# KiCad board SparkFun_GNSS_LG290P_panelized.kicad_pcb (continued)
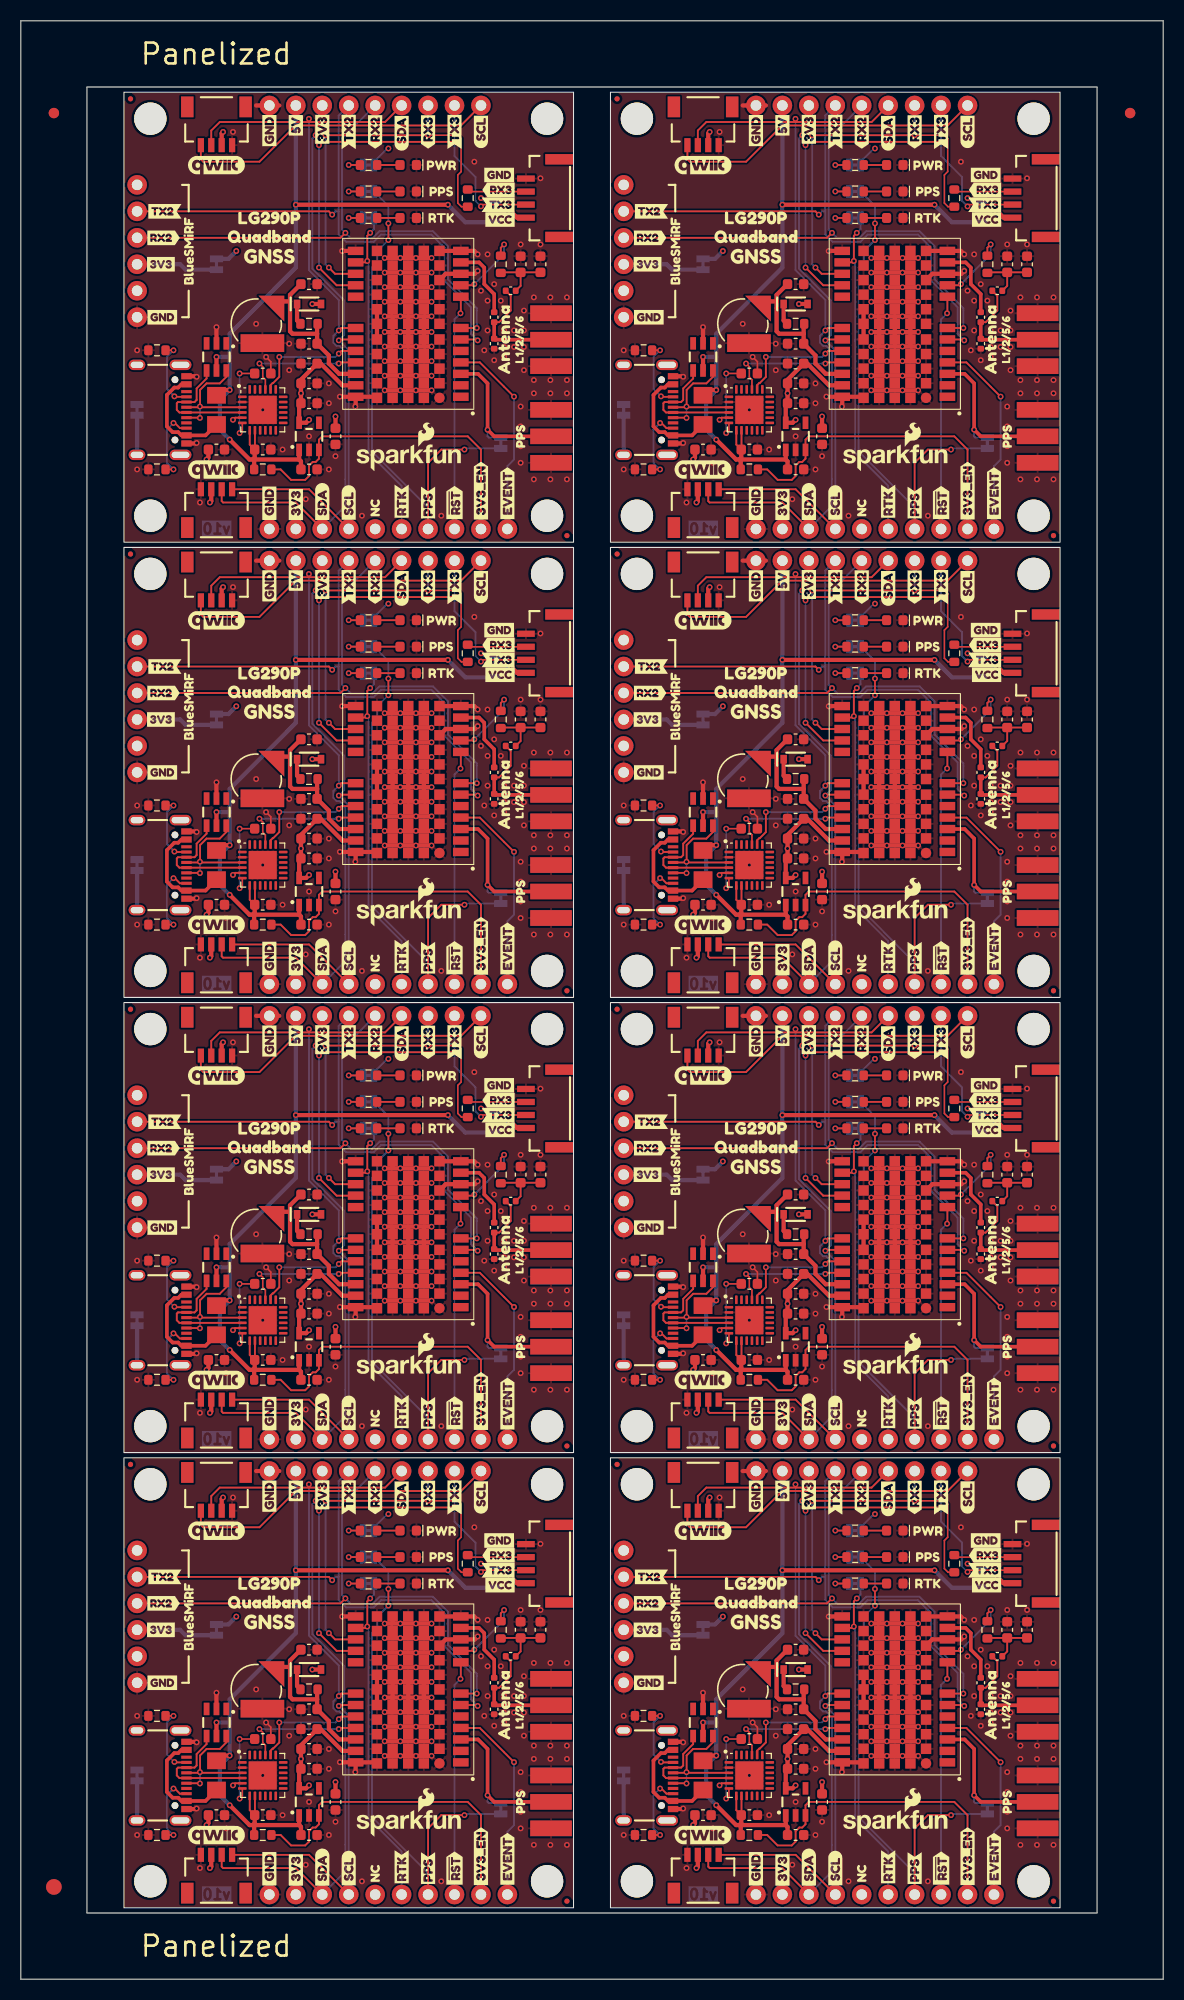
[diagram p0: board, top side]
## Placement (name value [footprint] x y rotation side) (continued)
kibuzzard-66CB3C6B#8  G***  [kibuzzard-66CB3C6B]  92.56 126.6 0 top
kibuzzard-66CB3C14  G***  [kibuzzard-66CB3C14]  83.3 98.15 90 top
kibuzzard-66CB3C14#2  G***  [kibuzzard-66CB3C14]  36.57 54.47 90 top
kibuzzard-66CB3C14#3  G***  [kibuzzard-66CB3C14]  36.57 98.15 90 top
kibuzzard-66CB3C14#4  G***  [kibuzzard-66CB3C14]  36.57 141.83 90 top
kibuzzard-66CB3C14#5  G***  [kibuzzard-66CB3C14]  83.3 10.79 90 top
kibuzzard-66CB3C14#6  G***  [kibuzzard-66CB3C14]  83.3 54.47 90 top
kibuzzard-66CB3C14#7  G***  [kibuzzard-66CB3C14]  83.3 141.83 90 top
kibuzzard-66CB3C14#8  G***  [kibuzzard-66CB3C14]  36.57 10.79 90 top
kibuzzard-66CB3C73  G***  [kibuzzard-66CB3C73]  45.87 171.7 0 top
kibuzzard-66CB3C73#2  G***  [kibuzzard-66CB3C73]  92.6 171.7 0 top
kibuzzard-66CB3C73#3  G***  [kibuzzard-66CB3C73]  45.87 84.34 0 top
kibuzzard-66CB3C73#4  G***  [kibuzzard-66CB3C73]  45.87 128.02 0 top
kibuzzard-66CB3C73#5  G***  [kibuzzard-66CB3C73]  92.6 40.66 0 top
kibuzzard-66CB3C73#6  G***  [kibuzzard-66CB3C73]  92.6 84.34 0 top
kibuzzard-66CB3C73#7  G***  [kibuzzard-66CB3C73]  92.6 128.02 0 top
kibuzzard-66CB3C73#8  G***  [kibuzzard-66CB3C73]  45.87 40.66 0 top
kibuzzard-66CB7E2C  G***  [kibuzzard-66CB7E2C]  18.79 37.84 270 bottom
kibuzzard-66CB7E2C#2  G***  [kibuzzard-66CB7E2C]  18.79 81.52 270 bottom
kibuzzard-66CB7E2C#3  G***  [kibuzzard-66CB7E2C]  18.79 125.2 270 bottom
kibuzzard-66CB7E2C#4  G***  [kibuzzard-66CB7E2C]  65.52 81.52 270 bottom
kibuzzard-66CB7E2C#5  G***  [kibuzzard-66CB7E2C]  65.52 125.2 270 bottom
kibuzzard-66CB7E2C#6  G***  [kibuzzard-66CB7E2C]  18.79 168.88 270 bottom
kibuzzard-66CB7E2C#7  G***  [kibuzzard-66CB7E2C]  65.52 168.88 270 bottom
kibuzzard-66CB7E2C#8  G***  [kibuzzard-66CB7E2C]  65.52 37.84 270 bottom
kibuzzard-66CB37A9  G***  [kibuzzard-66CB37A9]  23.87 177.39 90 top
kibuzzard-66CB37A9#2  G***  [kibuzzard-66CB37A9]  70.6 90.03 90 top
kibuzzard-66CB37A9#3  G***  [kibuzzard-66CB37A9]  70.6 177.39 90 top
kibuzzard-66CB37A9#4  G***  [kibuzzard-66CB37A9]  70.6 46.35 90 top
kibuzzard-66CB37A9#5  G***  [kibuzzard-66CB37A9]  70.6 133.71 90 top
kibuzzard-66CB37A9#6  G***  [kibuzzard-66CB37A9]  23.87 90.03 90 top
kibuzzard-66CB37A9#7  G***  [kibuzzard-66CB37A9]  23.87 133.71 90 top
kibuzzard-66CB37A9#8  G***  [kibuzzard-66CB37A9]  23.87 46.35 90 top
kibuzzard-66CB37A9#9  G***  [kibuzzard-66CB37A9]  23.87 177.39 270 bottom
kibuzzard-66CB37A9#10  G***  [kibuzzard-66CB37A9]  70.6 46.35 270 bottom
kibuzzard-66CB37A9#11  G***  [kibuzzard-66CB37A9]  23.87 133.71 270 bottom
kibuzzard-66CB37A9#12  G***  [kibuzzard-66CB37A9]  70.6 90.03 270 bottom
kibuzzard-66CB37A9#13  G***  [kibuzzard-66CB37A9]  70.6 177.39 270 bottom
kibuzzard-66CB37A9#14  G***  [kibuzzard-66CB37A9]  70.6 133.71 270 bottom
kibuzzard-66CB37A9#15  G***  [kibuzzard-66CB37A9]  23.87 90.03 270 bottom
kibuzzard-66CB37A9#16  G***  [kibuzzard-66CB37A9]  23.87 46.35 270 bottom
kibuzzard-66CB37CC  G***  [kibuzzard-66CB37CC]  46.02 37.81 0 top
kibuzzard-66CB37CC#2  G***  [kibuzzard-66CB37CC]  92.75 125.17 0 top
kibuzzard-66CB37CC#3  G***  [kibuzzard-66CB37CC]  46.02 125.17 0 top
kibuzzard-66CB37CC#4  G***  [kibuzzard-66CB37CC]  92.75 81.49 0 top
kibuzzard-66CB37CC#5  G***  [kibuzzard-66CB37CC]  46.02 81.49 0 top
kibuzzard-66CB37CC#6  G***  [kibuzzard-66CB37CC]  92.75 37.81 0 top
kibuzzard-66CB37CC#7  G***  [kibuzzard-66CB37CC]  92.75 168.85 0 top
kibuzzard-66CB37CC#8  G***  [kibuzzard-66CB37CC]  46.02 168.85 0 top
kibuzzard-66CB37D7  G***  [kibuzzard-66CB37D7]  92.66 85.77 0 top
kibuzzard-66CB37D7#2  G***  [kibuzzard-66CB37D7]  45.93 129.45 0 top
kibuzzard-66CB37D7#3  G***  [kibuzzard-66CB37D7]  92.66 129.45 0 top
kibuzzard-66CB37D7#4  G***  [kibuzzard-66CB37D7]  92.66 173.13 0 top
kibuzzard-66CB37D7#5  G***  [kibuzzard-66CB37D7]  45.93 85.77 0 top
kibuzzard-66CB37D7#6  G***  [kibuzzard-66CB37D7]  45.93 173.13 0 top
kibuzzard-66CB37D7#7  G***  [kibuzzard-66CB37D7]  92.66 42.09 0 top
kibuzzard-66CB37D7#8  G***  [kibuzzard-66CB37D7]  45.93 42.09 0 top
kibuzzard-66CB38B8  G***  [kibuzzard-66CB38B8]  39.11 46.22 270 bottom
kibuzzard-66CB38B8#2  G***  [kibuzzard-66CB38B8]  85.84 89.9 270 bottom
kibuzzard-66CB38B8#3  G***  [kibuzzard-66CB38B8]  85.84 46.22 270 bottom
kibuzzard-66CB38B8#4  G***  [kibuzzard-66CB38B8]  85.84 177.26 270 bottom
kibuzzard-66CB38B8#5  G***  [kibuzzard-66CB38B8]  39.11 133.58 270 bottom
kibuzzard-66CB38B8#6  G***  [kibuzzard-66CB38B8]  39.11 89.9 270 bottom
kibuzzard-66CB38B8#7  G***  [kibuzzard-66CB38B8]  39.11 177.26 270 bottom
kibuzzard-66CB38B8#8  G***  [kibuzzard-66CB38B8]  85.84 133.58 270 bottom
kibuzzard-66CB38C4  G***  [kibuzzard-66CB38C4]  41.65 133.58 270 bottom
kibuzzard-66CB38C4#2  G***  [kibuzzard-66CB38C4]  41.65 89.9 270 bottom
kibuzzard-66CB38C4#3  G***  [kibuzzard-66CB38C4]  88.38 46.22 270 bottom
kibuzzard-66CB38C4#4  G***  [kibuzzard-66CB38C4]  88.38 89.9 270 bottom
kibuzzard-66CB38C4#5  G***  [kibuzzard-66CB38C4]  88.38 177.26 270 bottom
kibuzzard-66CB38C4#6  G***  [kibuzzard-66CB38C4]  41.65 177.26 270 bottom
kibuzzard-66CB38C4#7  G***  [kibuzzard-66CB38C4]  88.38 133.58 270 bottom
kibuzzard-66CB38C4#8  G***  [kibuzzard-66CB38C4]  41.65 46.22 270 bottom
kibuzzard-66CB39E1  G***  [kibuzzard-66CB39E1]  34.03 10.15 90 top
kibuzzard-66CB39E1#2  G***  [kibuzzard-66CB39E1]  34.03 97.51 90 top
kibuzzard-66CB39E1#3  G***  [kibuzzard-66CB39E1]  34.03 53.83 90 top
kibuzzard-66CB39E1#4  G***  [kibuzzard-66CB39E1]  34.03 141.19 90 top
kibuzzard-66CB39E1#5  G***  [kibuzzard-66CB39E1]  80.76 53.83 90 top
kibuzzard-66CB39E1#6  G***  [kibuzzard-66CB39E1]  80.76 10.15 90 top
kibuzzard-66CB39E1#7  G***  [kibuzzard-66CB39E1]  80.76 97.51 90 top
kibuzzard-66CB39E1#8  G***  [kibuzzard-66CB39E1]  80.76 141.19 90 top
kibuzzard-66CB39E1#9  G***  [kibuzzard-66CB39E1]  34.03 10.15 270 bottom
kibuzzard-66CB39E1#10  G***  [kibuzzard-66CB39E1]  34.03 141.19 270 bottom
kibuzzard-66CB39E1#11  G***  [kibuzzard-66CB39E1]  34.03 97.51 270 bottom
kibuzzard-66CB39E1#12  G***  [kibuzzard-66CB39E1]  80.76 10.15 270 bottom
kibuzzard-66CB39E1#13  G***  [kibuzzard-66CB39E1]  80.76 97.51 270 bottom
kibuzzard-66CB39E1#14  G***  [kibuzzard-66CB39E1]  34.03 53.83 270 bottom
kibuzzard-66CB39E1#15  G***  [kibuzzard-66CB39E1]  80.76 53.83 270 bottom
kibuzzard-66CB39E1#16  G***  [kibuzzard-66CB39E1]  80.76 141.19 270 bottom
kibuzzard-66CB82FB  G***  [kibuzzard-66CB82FB]  45.46 85.46 270 bottom
kibuzzard-66CB82FB#2  G***  [kibuzzard-66CB82FB]  45.46 41.78 270 bottom
kibuzzard-66CB82FB#3  G***  [kibuzzard-66CB82FB]  92.19 172.81 270 bottom
kibuzzard-66CB82FB#4  G***  [kibuzzard-66CB82FB]  92.19 41.78 270 bottom
kibuzzard-66CB82FB#5  G***  [kibuzzard-66CB82FB]  45.46 129.13 270 bottom
kibuzzard-66CB82FB#6  G***  [kibuzzard-66CB82FB]  92.19 85.46 270 bottom
kibuzzard-66CB82FB#7  G***  [kibuzzard-66CB82FB]  45.46 172.81 270 bottom
kibuzzard-66CB82FB#8  G***  [kibuzzard-66CB82FB]  92.19 129.13 270 bottom
kibuzzard-66CB829C  G***  [kibuzzard-66CB829C]  43.55 38.6 270 bottom
kibuzzard-66CB829C#2  G***  [kibuzzard-66CB829C]  90.28 82.28 270 bottom
kibuzzard-66CB829C#3  G***  [kibuzzard-66CB829C]  43.55 82.28 270 bottom
kibuzzard-66CB829C#4  G***  [kibuzzard-66CB829C]  43.55 125.96 270 bottom
kibuzzard-66CB829C#5  G***  [kibuzzard-66CB829C]  43.55 169.64 270 bottom
kibuzzard-66CB829C#6  G***  [kibuzzard-66CB829C]  90.28 169.64 270 bottom
kibuzzard-66CB829C#7  G***  [kibuzzard-66CB829C]  90.28 125.96 270 bottom
kibuzzard-66CB829C#8  G***  [kibuzzard-66CB829C]  90.28 38.6 270 bottom
kibuzzard-66CB830B  G***  [kibuzzard-66CB830B]  92.19 79.42 270 bottom
kibuzzard-66CB830B#2  G***  [kibuzzard-66CB830B]  45.46 166.78 270 bottom
kibuzzard-66CB830B#3  G***  [kibuzzard-66CB830B]  92.19 166.78 270 bottom
kibuzzard-66CB830B#4  G***  [kibuzzard-66CB830B]  45.46 79.42 270 bottom
kibuzzard-66CB830B#5  G***  [kibuzzard-66CB830B]  92.19 35.74 270 bottom
kibuzzard-66CB830B#6  G***  [kibuzzard-66CB830B]  92.19 123.1 270 bottom
kibuzzard-66CB830B#7  G***  [kibuzzard-66CB830B]  45.46 123.1 270 bottom
kibuzzard-66CB830B#8  G***  [kibuzzard-66CB830B]  45.46 35.74 270 bottom
kibuzzard-66CB3887  G***  [kibuzzard-66CB3887]  78.22 177.26 270 bottom
kibuzzard-66CB3887#2  G***  [kibuzzard-66CB3887]  31.49 177.26 270 bottom
kibuzzard-66CB3887#3  G***  [kibuzzard-66CB3887]  31.49 89.9 270 bottom
kibuzzard-66CB3887#4  G***  [kibuzzard-66CB3887]  78.22 46.22 270 bottom
kibuzzard-66CB3887#5  G***  [kibuzzard-66CB3887]  31.49 133.58 270 bottom
kibuzzard-66CB3887#6  G***  [kibuzzard-66CB3887]  78.22 89.9 270 bottom
kibuzzard-66CB3887#7  G***  [kibuzzard-66CB3887]  78.22 133.58 270 bottom
kibuzzard-66CB3887#8  G***  [kibuzzard-66CB3887]  31.49 46.22 270 bottom
kibuzzard-66CB3899  G***  [kibuzzard-66CB3899]  34.03 46.22 270 bottom
kibuzzard-66CB3899#2  G***  [kibuzzard-66CB3899]  34.03 89.9 270 bottom
kibuzzard-66CB3899#3  G***  [kibuzzard-66CB3899]  34.03 133.58 270 bottom
kibuzzard-66CB3899#4  G***  [kibuzzard-66CB3899]  80.76 177.26 270 bottom
kibuzzard-66CB3899#5  G***  [kibuzzard-66CB3899]  80.76 133.58 270 bottom
kibuzzard-66CB3899#6  G***  [kibuzzard-66CB3899]  34.03 177.26 270 bottom
kibuzzard-66CB3899#7  G***  [kibuzzard-66CB3899]  80.76 46.22 270 bottom
kibuzzard-66CB3899#8  G***  [kibuzzard-66CB3899]  80.76 89.9 270 bottom
kibuzzard-66CB8004  G***  [kibuzzard-66CB8004]  46.09 20.19 270 bottom
kibuzzard-66CB8004#2  G***  [kibuzzard-66CB8004]  92.82 20.19 270 bottom
kibuzzard-66CB8004#3  G***  [kibuzzard-66CB8004]  92.82 63.87 270 bottom
kibuzzard-66CB8004#4  G***  [kibuzzard-66CB8004]  92.82 151.22 270 bottom
kibuzzard-66CB8004#5  G***  [kibuzzard-66CB8004]  46.09 151.22 270 bottom
kibuzzard-66CB8004#6  G***  [kibuzzard-66CB8004]  46.09 63.87 270 bottom
kibuzzard-66CB8004#7  G***  [kibuzzard-66CB8004]  46.09 107.55 270 bottom
kibuzzard-66CB8004#8  G***  [kibuzzard-66CB8004]  92.82 107.55 270 bottom
kibuzzard-66CBD5AE  G***  [kibuzzard-66CBD5AE]  31.49 72.12 180 bottom
kibuzzard-66CBD5AE#2  G***  [kibuzzard-66CBD5AE]  78.22 72.12 180 bottom
kibuzzard-66CBD5AE#3  G***  [kibuzzard-66CBD5AE]  31.49 115.8 180 bottom
kibuzzard-66CBD5AE#4  G***  [kibuzzard-66CBD5AE]  31.49 159.48 180 bottom
kibuzzard-66CBD5AE#5  G***  [kibuzzard-66CBD5AE]  78.22 28.44 180 bottom
kibuzzard-66CBD5AE#6  G***  [kibuzzard-66CBD5AE]  78.22 159.48 180 bottom
kibuzzard-66CBD5AE#7  G***  [kibuzzard-66CBD5AE]  78.22 115.8 180 bottom
kibuzzard-66CBD5AE#8  G***  [kibuzzard-66CBD5AE]  31.49 28.44 180 bottom
kibuzzard-6501FDDA  G***  [kibuzzard-6501FDDA]  16.12 34.79 90 top
kibuzzard-6501FDDA#2  G***  [kibuzzard-6501FDDA]  62.85 34.79 90 top
kibuzzard-6501FDDA#3  G***  [kibuzzard-6501FDDA]  62.85 165.83 90 top
kibuzzard-6501FDDA#4  G***  [kibuzzard-6501FDDA]  16.12 78.47 90 top
kibuzzard-6501FDDA#5  G***  [kibuzzard-6501FDDA]  62.85 122.15 90 top
kibuzzard-6501FDDA#6  G***  [kibuzzard-6501FDDA]  16.12 165.83 90 top
kibuzzard-6501FDDA#7  G***  [kibuzzard-6501FDDA]  16.12 122.15 90 top
kibuzzard-6501FDDA#8  G***  [kibuzzard-6501FDDA]  62.85 78.47 90 top
kibuzzard-6501FDDA#9  G***  [kibuzzard-6501FDDA]  16.12 34.79 270 bottom
kibuzzard-6501FDDA#10  G***  [kibuzzard-6501FDDA]  16.12 122.15 270 bottom
kibuzzard-6501FDDA#11  G***  [kibuzzard-6501FDDA]  62.85 34.79 270 bottom
kibuzzard-6501FDDA#12  G***  [kibuzzard-6501FDDA]  62.85 165.83 270 bottom
kibuzzard-6501FDDA#13  G***  [kibuzzard-6501FDDA]  16.12 78.47 270 bottom
kibuzzard-6501FDDA#14  G***  [kibuzzard-6501FDDA]  16.12 165.83 270 bottom
kibuzzard-6501FDDA#15  G***  [kibuzzard-6501FDDA]  62.85 78.47 270 bottom
kibuzzard-6501FDDA#16  G***  [kibuzzard-6501FDDA]  62.85 122.15 270 bottom
kibuzzard-650880E6  G***  [kibuzzard-650880E6]  78.22 22.73 180 bottom
kibuzzard-650880E6#2  G***  [kibuzzard-650880E6]  78.22 153.77 180 bottom
kibuzzard-650880E6#3  G***  [kibuzzard-650880E6]  31.49 66.41 180 bottom
kibuzzard-650880E6#4  G***  [kibuzzard-650880E6]  31.49 110.09 180 bottom
kibuzzard-650880E6#5  G***  [kibuzzard-650880E6]  31.49 153.77 180 bottom
kibuzzard-650880E6#6  G***  [kibuzzard-650880E6]  78.22 66.41 180 bottom
kibuzzard-650880E6#7  G***  [kibuzzard-650880E6]  78.22 110.09 180 bottom
kibuzzard-650880E6#8  G***  [kibuzzard-650880E6]  31.49 22.73 180 bottom
L1  68nH  [C_0402_1005Metric]  93.77 30.98 180 top
L1#2  68nH  [C_0402_1005Metric]  47.05 162.02 180 top
L1#3  68nH  [C_0402_1005Metric]  47.05 74.66 180 top
L1#4  68nH  [C_0402_1005Metric]  47.05 118.34 180 top
L1#5  68nH  [C_0402_1005Metric]  47.05 30.98 180 top
L1#6  68nH  [C_0402_1005Metric]  93.77 74.66 180 top
L1#7  68nH  [C_0402_1005Metric]  93.77 162.02 180 top
L1#8  68nH  [C_0402_1005Metric]  93.77 118.34 180 top
NOREF  -  [Fiducial_1mm_Mask3mm]  3.18 179.07 0 top
NOREF#2  -  [Fiducial_1.5mm_Mask3mm]  3.18 8.85 0 top
NOREF#3  -  [Fiducial_1mm_Mask3mm]  106.53 179.07 0 top
NOREF#4  -  [Fiducial_1mm_Mask3mm]  106.53 179.07 0 bottom
NOREF#5  -  [Fiducial_1mm_Mask3mm]  3.18 179.07 0 bottom
NOREF#6  -  [Fiducial_1.5mm_Mask3mm]  3.18 8.85 0 bottom
R1  5.1k  [R_0603_1608Metric]  59.8 101.2 180 top
R1#2  5.1k  [R_0603_1608Metric]  59.8 57.52 180 top
R1#3  5.1k  [R_0603_1608Metric]  59.8 144.88 180 top
R1#4  5.1k  [R_0603_1608Metric]  13.07 13.84 180 top
R1#5  5.1k  [R_0603_1608Metric]  13.07 57.52 180 top
R1#6  5.1k  [R_0603_1608Metric]  13.07 101.2 180 top
R1#7  5.1k  [R_0603_1608Metric]  13.07 144.88 180 top
R1#8  5.1k  [R_0603_1608Metric]  59.8 13.84 180 top
R2  5.1k  [R_0603_1608Metric]  13.07 25.27 180 top
R2#2  5.1k  [R_0603_1608Metric]  13.07 68.94 180 top
R2#3  5.1k  [R_0603_1608Metric]  13.07 156.31 180 top
R2#4  5.1k  [R_0603_1608Metric]  59.8 112.62 180 top
R2#5  5.1k  [R_0603_1608Metric]  59.8 68.94 180 top
R2#6  5.1k  [R_0603_1608Metric]  59.8 156.31 180 top
R2#7  5.1k  [R_0603_1608Metric]  59.8 25.27 180 top
R2#8  5.1k  [R_0603_1608Metric]  13.07 112.62 180 top
R3  1k  [R_0603_1608Metric]  80.12 81.65 0 top
R3#2  1k  [R_0603_1608Metric]  80.12 169 0 top
R3#3  1k  [R_0603_1608Metric]  80.12 125.33 0 top
R3#4  1k  [R_0603_1608Metric]  80.12 37.97 0 top
R3#5  1k  [R_0603_1608Metric]  33.39 169 0 top
R3#6  1k  [R_0603_1608Metric]  33.39 81.65 0 top
R3#7  1k  [R_0603_1608Metric]  33.39 125.33 0 top
R3#8  1k  [R_0603_1608Metric]  33.39 37.97 0 top
R4  4.7k  [R_0603_1608Metric]  33.39 43.05 0 top
R4#2  4.7k  [R_0603_1608Metric]  33.39 86.72 0 top
R4#3  4.7k  [R_0603_1608Metric]  33.39 174.09 0 top
R4#4  4.7k  [R_0603_1608Metric]  80.12 86.72 0 top
R4#5  4.7k  [R_0603_1608Metric]  33.39 130.41 0 top
R4#6  4.7k  [R_0603_1608Metric]  80.12 43.05 0 top
R4#7  4.7k  [R_0603_1608Metric]  80.12 174.09 0 top
R4#8  4.7k  [R_0603_1608Metric]  80.12 130.41 0 top
R5  2.2k  [R_0603_1608Metric]  33.39 40.51 0 top
R5#2  2.2k  [R_0603_1608Metric]  33.39 127.87 0 top
R5#3  2.2k  [R_0603_1608Metric]  80.12 171.55 0 top
R5#4  2.2k  [R_0603_1608Metric]  80.12 40.51 0 top
R5#5  2.2k  [R_0603_1608Metric]  80.12 127.87 0 top
R5#6  2.2k  [R_0603_1608Metric]  33.39 84.19 0 top
R5#7  2.2k  [R_0603_1608Metric]  33.39 171.55 0 top
R5#8  2.2k  [R_0603_1608Metric]  80.12 84.19 0 top
R6  10  [R_0603_1608Metric]  92.82 33.52 270 top
R6#2  10  [R_0603_1608Metric]  92.82 164.56 270 top
R6#3  10  [R_0603_1608Metric]  46.09 77.2 270 top
R6#4  10  [R_0603_1608Metric]  46.09 164.56 270 top
R6#5  10  [R_0603_1608Metric]  46.09 120.88 270 top
R6#6  10  [R_0603_1608Metric]  92.82 77.2 270 top
R6#7  10  [R_0603_1608Metric]  92.82 120.88 270 top
R6#8  10  [R_0603_1608Metric]  46.09 33.52 270 top
R7  1k  [R_0603_1608Metric]  27.68 27.81 0 top
R7#2  1k  [R_0603_1608Metric]  27.68 158.84 0 top
R7#3  1k  [R_0603_1608Metric]  27.68 115.17 0 top
R7#4  1k  [R_0603_1608Metric]  74.41 27.81 0 top
R7#5  1k  [R_0603_1608Metric]  27.68 71.48 0 top
R7#6  1k  [R_0603_1608Metric]  74.41 115.17 0 top
R7#7  1k  [R_0603_1608Metric]  74.41 158.84 0 top
R7#8  1k  [R_0603_1608Metric]  74.41 71.48 0 top
R8  1k  [R_0603_1608Metric]  89.65 170.91 90 top
R8#2  1k  [R_0603_1608Metric]  89.65 39.87 90 top
R8#3  1k  [R_0603_1608Metric]  42.92 127.23 90 top
R8#4  1k  [R_0603_1608Metric]  42.92 170.91 90 top
R8#5  1k  [R_0603_1608Metric]  89.65 83.55 90 top
R8#6  1k  [R_0603_1608Metric]  42.92 83.55 90 top
R8#7  1k  [R_0603_1608Metric]  89.65 127.23 90 top
R8#8  1k  [R_0603_1608Metric]  42.92 39.87 90 top
R9  100k  [R_0603_1608Metric]  23.23 144.88 0 top
R9#2  100k  [R_0603_1608Metric]  69.96 13.84 0 top
R9#3  100k  [R_0603_1608Metric]  69.96 144.88 0 top
R9#4  100k  [R_0603_1608Metric]  23.23 57.52 0 top
R9#5  100k  [R_0603_1608Metric]  23.23 101.2 0 top
R9#6  100k  [R_0603_1608Metric]  69.96 57.52 0 top
R9#7  100k  [R_0603_1608Metric]  69.96 101.2 0 top
R9#8  100k  [R_0603_1608Metric]  23.23 13.84 0 top
Ref**  Val**  [OSHW_Logo_4mm]  18.79 90.62 180 bottom
Ref**#2  Val**  [OSHW_Logo_4mm]  18.79 177.98 180 bottom
Ref**#3  Val**  [OSHW_Logo_4mm]  65.52 177.98 180 bottom
Ref**#4  Val**  [OSHW_Logo_4mm]  18.79 134.3 180 bottom
Ref**#5  Val**  [OSHW_Logo_4mm]  65.52 46.94 180 bottom
Ref**#6  Val**  [OSHW_Logo_4mm]  65.52 90.62 180 bottom
Ref**#7  Val**  [OSHW_Logo_4mm]  65.52 134.3 180 bottom
Ref**#8  Val**  [OSHW_Logo_4mm]  18.79 46.94 180 bottom
ST1  -  [Standoff]  50.54 91.17 0 top
ST1#2  -  [Standoff]  97.27 178.53 0 top
ST1#3  -  [Standoff]  50.54 134.85 0 top
ST1#4  -  [Standoff]  97.27 91.17 0 top
ST1#5  -  [Standoff]  97.27 134.85 0 top
ST1#6  -  [Standoff]  50.54 178.53 0 top
ST1#7  -  [Standoff]  97.27 47.49 0 top
ST1#8  -  [Standoff]  50.54 47.49 0 top
ST2  -  [Standoff]  97.27 140.43 0 top
ST2#2  -  [Standoff]  50.54 96.75 0 top
ST2#3  -  [Standoff]  50.54 53.07 0 top
ST2#4  -  [Standoff]  50.54 140.43 0 top
ST2#5  -  [Standoff]  97.27 9.39 0 top
ST2#6  -  [Standoff]  97.27 53.07 0 top
ST2#7  -  [Standoff]  97.27 96.75 0 top
ST2#8  -  [Standoff]  50.54 9.39 0 top
ST3  -  [Standoff]  12.44 47.49 0 top
ST3#2  -  [Standoff]  59.17 91.17 0 top
ST3#3  -  [Standoff]  59.17 134.85 0 top
ST3#4  -  [Standoff]  12.44 178.53 0 top
ST3#5  -  [Standoff]  12.44 91.17 0 top
ST3#6  -  [Standoff]  59.17 178.53 0 top
ST3#7  -  [Standoff]  59.17 47.49 0 top
ST3#8  -  [Standoff]  12.44 134.85 0 top
ST4  -  [Standoff]  12.44 9.39 0 top
ST4#2  -  [Standoff]  12.44 53.07 0 top
ST4#3  -  [Standoff]  12.44 140.43 0 top
ST4#4  -  [Standoff]  59.17 9.39 0 top
ST4#5  -  [Standoff]  12.44 96.75 0 top
ST4#6  -  [Standoff]  59.17 53.07 0 top
ST4#7  -  [Standoff]  59.17 96.75 0 top
ST4#8  -  [Standoff]  59.17 140.43 0 top
U1  DT1042-04SO  [SOT23-6]  18.79 155.67 270 top
U1#2  DT1042-04SO  [SOT23-6]  18.79 68.31 270 top
U1#3  DT1042-04SO  [SOT23-6]  65.52 68.31 270 top
U1#4  DT1042-04SO  [SOT23-6]  18.79 111.99 270 top
U1#5  DT1042-04SO  [SOT23-6]  65.52 24.63 270 top
U1#6  DT1042-04SO  [SOT23-6]  65.52 111.99 270 top
U1#7  DT1042-04SO  [SOT23-6]  65.52 155.67 270 top
U1#8  DT1042-04SO  [SOT23-6]  18.79 24.63 270 top
U2  RT9080-3.3  [SOT23-5]  27.68 148.05 90 top
U2#2  RT9080-3.3  [SOT23-5]  27.68 104.37 90 top
U2#3  RT9080-3.3  [SOT23-5]  74.41 17.01 90 top
U2#4  RT9080-3.3  [SOT23-5]  74.41 104.37 90 top
U2#5  RT9080-3.3  [SOT23-5]  74.41 148.05 90 top
U2#6  RT9080-3.3  [SOT23-5]  74.41 60.69 90 top
U2#7  RT9080-3.3  [SOT23-5]  27.68 60.69 90 top
U2#8  RT9080-3.3  [SOT23-5]  27.68 17.01 90 top
U3  LG290P  [Quectel_LG290P]  37.2 71.48 180 top
U3#2  LG290P  [Quectel_LG290P]  83.93 158.84 180 top
U3#3  LG290P  [Quectel_LG290P]  37.2 158.84 180 top
U3#4  LG290P  [Quectel_LG290P]  83.93 115.17 180 top
U3#5  LG290P  [Quectel_LG290P]  83.93 27.81 180 top
U3#6  LG290P  [Quectel_LG290P]  37.2 115.17 180 top
U3#7  LG290P  [Quectel_LG290P]  83.93 71.48 180 top
U3#8  LG290P  [Quectel_LG290P]  37.2 27.81 180 top
U4  CH342F  [QFN-24-1EP_4x4mm_P0.5mm_EP2.7x2.7mm]  69.96 19.55 0 top
U4#2  CH342F  [QFN-24-1EP_4x4mm_P0.5mm_EP2.7x2.7mm]  23.23 63.23 0 top
U4#3  CH342F  [QFN-24-1EP_4x4mm_P0.5mm_EP2.7x2.7mm]  69.96 63.23 0 top
U4#4  CH342F  [QFN-24-1EP_4x4mm_P0.5mm_EP2.7x2.7mm]  69.96 150.59 0 top
U4#5  CH342F  [QFN-24-1EP_4x4mm_P0.5mm_EP2.7x2.7mm]  69.96 106.91 0 top
U4#6  CH342F  [QFN-24-1EP_4x4mm_P0.5mm_EP2.7x2.7mm]  23.23 106.91 0 top
U4#7  CH342F  [QFN-24-1EP_4x4mm_P0.5mm_EP2.7x2.7mm]  23.23 150.59 0 top
U4#8  CH342F  [QFN-24-1EP_4x4mm_P0.5mm_EP2.7x2.7mm]  23.23 19.55 0 top

## Library data of the parts
BT1 BT1#2-BT1#8 = -: Description: Reflowable coin cell battery; PROD_ID: BATT-14267
C1 C1#2-C1#7 C3 C3#2-C3#7 C5 C5#2-C5#7 = -: Datasheet: https://cdn.sparkfun.com/assets/8/a/4/a/5/Kemet_Capacitor_Datasheet.pdf; Description: Unpolarized capacitor; PROD_ID: CAP-00810; Tolerance: 20%; Voltage: 25V
C1#8 C3#8 C5#8 = -: Datasheet: https://cdn.sparkfun.com/assets/8/a/4/a/5/Kemet_Capacitor_Datasheet.pdf; Description: Unpolarized capacitor; PROD_ID: CAP-00810; Tolerance: 20%; Voltage: 25V; ki_fp_filters: C_*
C2 = -: Datasheet: https://cdn.sparkfun.com/assets/8/a/4/a/5/Kemet_Capacitor_Datasheet.pdf; Description: Unpolarized capacitor; PROD_ID: CAP-11015; Tolerance: 20%; Voltage: 6.3V; ki_fp_filters: C_*
C2#2-C2#8 = -: Datasheet: https://cdn.sparkfun.com/assets/8/a/4/a/5/Kemet_Capacitor_Datasheet.pdf; Description: Unpolarized capacitor; PROD_ID: CAP-11015; Tolerance: 20%; Voltage: 6.3V
C4 C4#2-C4#7 = -: Datasheet: https://cdn.sparkfun.com/assets/8/a/4/a/5/Kemet_Capacitor_Datasheet.pdf; Description: Unpolarized capacitor; PROD_ID: CAP-07883; Tolerance: 10%; Voltage: 50V
C4#8 = -: Datasheet: https://cdn.sparkfun.com/assets/8/a/4/a/5/Kemet_Capacitor_Datasheet.pdf; Description: Unpolarized capacitor; PROD_ID: CAP-07883; Tolerance: 10%; Voltage: 50V; ki_fp_filters: C_*
C6 = -: Datasheet: https://cdn.sparkfun.com/assets/8/a/4/a/5/Kemet_Capacitor_Datasheet.pdf; Description: Unpolarized capacitor; PROD_ID: CAP-13458; Tolerance: 10%; Voltage: 50V; ki_fp_filters: C_*
C6#2-C6#8 = -: Datasheet: https://cdn.sparkfun.com/assets/8/a/4/a/5/Kemet_Capacitor_Datasheet.pdf; Description: Unpolarized capacitor; PROD_ID: CAP-13458; Tolerance: 10%; Voltage: 50V
C7 C7#2-C7#7 C9 C9#2-C9#7 = -: Datasheet: https://cdn.sparkfun.com/assets/8/a/4/a/5/Kemet_Capacitor_Datasheet.pdf; Description: Unpolarized capacitor; PROD_ID: CAP-13930; Voltage: 16V; Tolerance: 10%
C7#8 C9#8 = -: Datasheet: https://cdn.sparkfun.com/assets/8/a/4/a/5/Kemet_Capacitor_Datasheet.pdf; Description: Unpolarized capacitor; PROD_ID: CAP-13930; Voltage: 16V; Tolerance: 10%; ki_fp_filters: C_*
C8 C8#2-C8#7 = -: Datasheet: https://cdn.sparkfun.com/assets/8/a/4/a/5/Kemet_Capacitor_Datasheet.pdf; Description: Unpolarized capacitor; PROD_ID: CAP-10142; Tolerance: 5%; Voltage: 50V
C8#8 = -: Datasheet: https://cdn.sparkfun.com/assets/8/a/4/a/5/Kemet_Capacitor_Datasheet.pdf; Description: Unpolarized capacitor; PROD_ID: CAP-10142; Tolerance: 5%; Voltage: 50V; ki_fp_filters: C_*
C10 C10#2-C10#4 C10#6-C10#8 = -: Datasheet: https://cdn.sparkfun.com/assets/8/a/4/a/5/Kemet_Capacitor_Datasheet.pdf; Description: Unpolarized capacitor; PROD_ID: CAP-00810; Voltage: 25V; Tolerance: 20%
C10#5 = -: Datasheet: https://cdn.sparkfun.com/assets/8/a/4/a/5/Kemet_Capacitor_Datasheet.pdf; Description: Unpolarized capacitor; PROD_ID: CAP-00810; Voltage: 25V; Tolerance: 20%; ki_fp_filters: C_*
C13 C13#2-C13#7 = -: Datasheet: https://cdn.sparkfun.com/assets/8/a/4/a/5/Kemet_Capacitor_Datasheet.pdf; Description: Unpolarized capacitor; PROD_ID: CAP-13930; Tolerance: 10%; Voltage: 16V
C13#8 = -: Datasheet: https://cdn.sparkfun.com/assets/8/a/4/a/5/Kemet_Capacitor_Datasheet.pdf; Description: Unpolarized capacitor; PROD_ID: CAP-13930; Tolerance: 10%; Voltage: 16V; ki_fp_filters: C_*
D1 = -: Datasheet: https://docs.broadcom.com/docs/AV02-0551EN; Description: Light emitting diode; PROD_ID: DIO-17976; ki_fp_filters: LED* LED_SMD:* LED_THT:*
D1#2-D1#8 = -: Datasheet: https://docs.broadcom.com/docs/AV02-0551EN; Description: Light emitting diode; PROD_ID: DIO-17976
D2 D2#3-D2#8 = -: Datasheet: https://www.qt-brightek.com/datasheet/QBLP601_series.pdf; Description: Light emitting diode; PROD_ID: DIO-09004
D2#2 = -: Datasheet: https://www.qt-brightek.com/datasheet/QBLP601_series.pdf; Description: Light emitting diode; PROD_ID: DIO-09004; ki_fp_filters: LED* LED_SMD:* LED_THT:*
D3 = -: Datasheet: https://www.littelfuse.com/~/media/electronics/product_specifications/polymer_esd_suppressors/littelfuse_polymer_esd_suppressor_pesd0402_140_product_specification.pdf.pdf; Description: Bidirectional transient-voltage-suppression diode; PROD_ID: DIO-15359; ki_fp_filters: TO-???* *_Diode_* *SingleDiode* D_*
D3#2-D3#8 = -: Datasheet: https://www.littelfuse.com/~/media/electronics/product_specifications/polymer_esd_suppressors/littelfuse_polymer_esd_suppressor_pesd0402_140_product_specification.pdf.pdf; Description: Bidirectional transient-voltage-suppression diode; PROD_ID: DIO-15359
D4 D4#2-D4#7 = -: Datasheet: https://www.kingbrightusa.com/images/catalog/SPEC/APT1608SYCK.pdf; Description: Light emitting diode; PROD_ID: DIO-09003
D4#8 = -: Datasheet: https://www.kingbrightusa.com/images/catalog/SPEC/APT1608SYCK.pdf; Description: Light emitting diode; PROD_ID: DIO-09003; ki_fp_filters: LED* LED_SMD:* LED_THT:*
D5 = -: Datasheet: https://assets.nexperia.com/documents/data-sheet/PMEG4005EJ.pdf; Description: Schottky diode; PROD_ID: DIO-10955; IMax: 0.5A; VDrop: 0.42V; VMax: 40V; ki_fp_filters: TO-???* *_Diode_* *SingleDiode* D_*
D5#2-D5#8 = -: Datasheet: https://assets.nexperia.com/documents/data-sheet/PMEG4005EJ.pdf; Description: Schottky diode; PROD_ID: DIO-10955; IMax: 0.5A; VDrop: 0.42V; VMax: 40V
D6 D6#2-D6#7 D7 D7#2-D7#7 = -: Datasheet: https://www.littelfuse.com/media?resourcetype=datasheets&itemid=5186ff3a-844f-4b9e-926a-f506c7d3d551&filename=littelfuse-polymer-esd-suppressor-pesd-catalog-datasheet; Description: Bidirectional transient-voltage-suppression diode, Diode TVS 24VWM 45VClamp; PROD_ID: DIO-14502
D6#8 D7#8 = -: Datasheet: https://www.littelfuse.com/media?resourcetype=datasheets&itemid=5186ff3a-844f-4b9e-926a-f506c7d3d551&filename=littelfuse-polymer-esd-suppressor-pesd-catalog-datasheet; Description: Bidirectional transient-voltage-suppression diode, Diode TVS 24VWM 45VClamp; PROD_ID: DIO-14502; ki_fp_filters: TO-???* *_Diode_* *SingleDiode* D_*